# KiCad board keyboard0.kicad_pcb (continued)
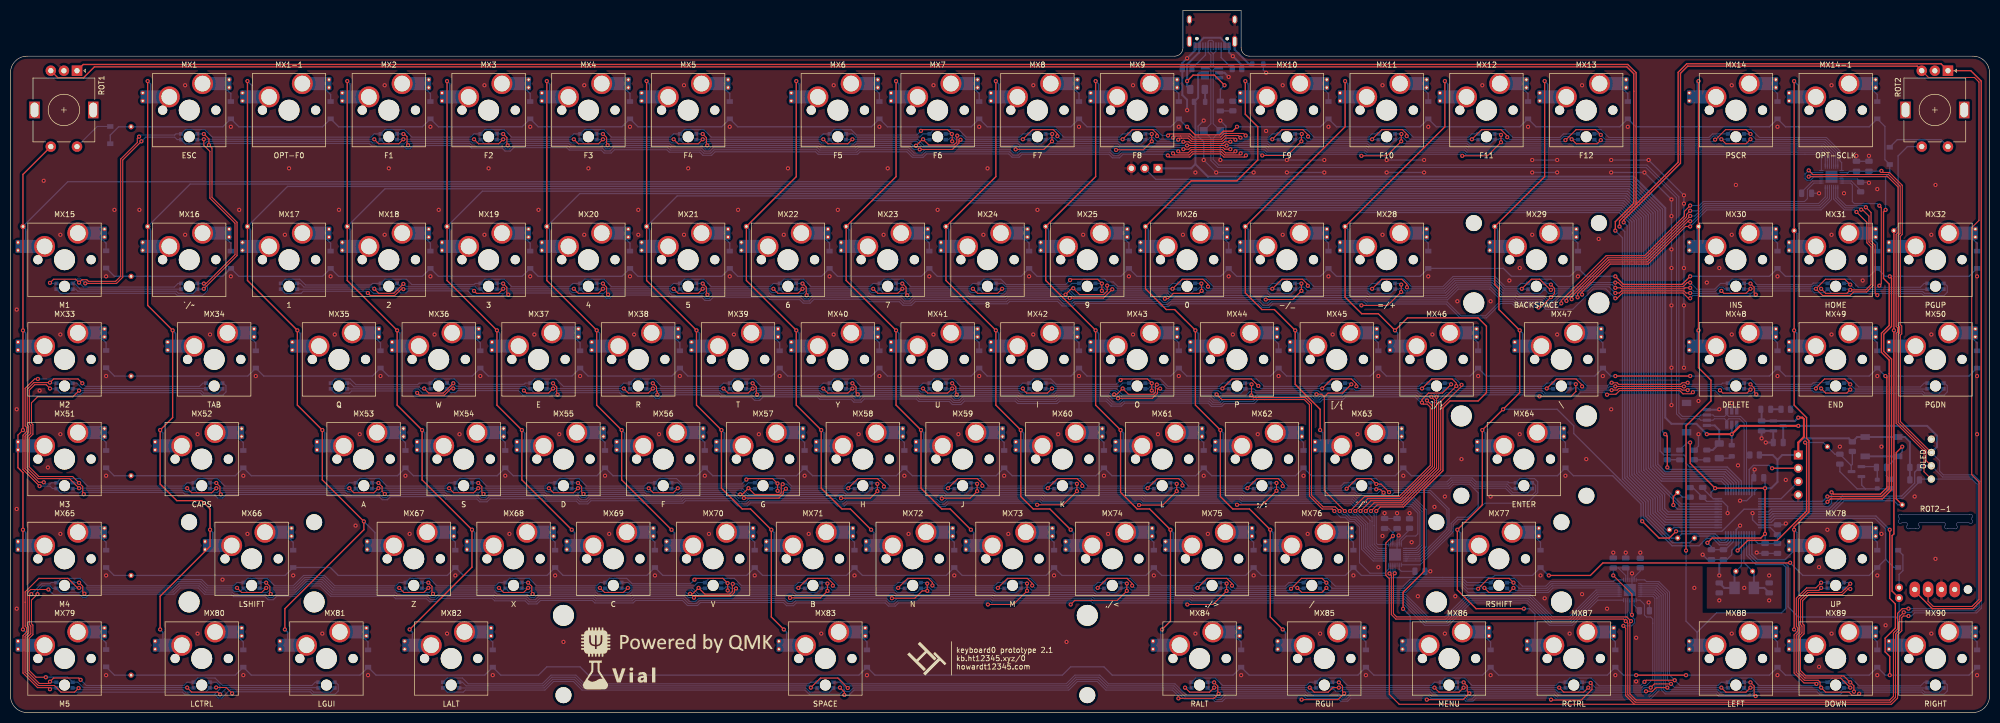
[diagram p0: board, top side]
## Routing (per net, layer and track width the routed paths; a pad name or vN(x,y) marks a point on that pad's centre or on a via; arc(x,y) is an arc through that point) (continued)
VBUS: length 28.4
  Top w0.25: v1(231.76,119.85) 229.83,121.78 225.75,121.78 v1(224.62,120.64)
  Bottom w0.25: D2.2 230.97,119.06 v1(231.76,119.85)
  Bottom w0.381: 231.83,127.23 231.83,128.06 230.97,128.92 227.79,128.92 226.93,128.06 226.93,126.13 226.92,126.12 224.62,123.82 224.62,119.64 F1.1
VCC: length 8.2
  Bottom w0.381: J2.1 325.33,54.85 326.21,53.97 F8.1 324.95,50.15 D5.2
1CA1: length 400.2
  Top w0.2: v1(7.54,82.09) 8.24,82.79 12.46,82.79 v1(13.1,82.15) 13.64,82.69 14.58,82.69 14.88,82.39 20.08,82.39 21.03,83.34 21.03,105.73 24.21,108.91 24.21,109.68 v1(24.55,110.03) ; v1(173.81,111.13) 174.04,111.36 178.89,111.36 179.77,110.47 v1(179.77,109.13) ; v1(223.91,107.63) 224.95,107.63 225.25,107.94 231.52,107.94 231.83,107.63 v1(232.86,107.63)
  Bottom w0.2: v1(232.86,107.63) 233.17,107.93 239.6,107.93 240.07,107.46 258.55,107.46 258.95,107.06 277.44,107.06 277.84,106.66 342.57,106.66 345.35,106.66 345.7,106.31 I1.21 ; v1(179.71,110.53) 179.69,110.56 LED9.1 ; LED1.4 7.64,81.99 v1(7.54,82.09) ; v1(24.55,110.03) 24.85,110.33 31.35,110.33 31.59,110.56 LED3.4 33.38,111.36 37.11,111.36 38.54,109.93 68.81,109.93 69.44,110.56 LED4.4 71.48,111.36 75.21,111.36 76.64,109.93 87.86,109.93 88.49,110.56 LED5.4 90.53,111.36 94.26,111.36 95.69,109.93 106.91,109.93 107.54,110.56 LED6.4 109.57,111.36 113.31,111.36 114.74,109.93 125.96,109.93 126.59,110.56 LED7.4 128.62,111.36 132.36,111.36 133.79,109.93 154.53,109.93 155.16,110.56 LED8.4 157.2,111.36 160.5,111.36 161.52,110.33 173.01,110.33 v1(173.81,111.13) ; v1(179.77,109.13) 180.18,108.73 192.31,108.73 192.78,108.26 211.26,108.26 211.66,107.86 216.17,107.86 216.25,107.94 223.6,107.94 v1(223.91,107.63) ; v1(13.1,82.15) 13.96,81.29 31.29,81.29 31.99,81.99 LED2.4
1CA2: length 393.5
  Top w0.2: v1(25,109.13) 21.43,105.56 21.43,83.17 20.25,81.99 v1(14.29,81.99) ; v1(198.86,110.53) 198.82,110.5 v1(198.82,109.13) 197.29,107.6 v1(191.89,107.6) ; v1(224.62,108.34) v1(232.16,108.34)
  Bottom w0.2: I1.22 346.44,104.78 346.44,106.14 345.52,107.06 278,107.06 277.6,107.46 259.12,107.46 258.72,107.86 240.24,107.86 239.76,108.34 v1(232.16,108.34) ; 11.92,81.99 12.78,82.85 13.43,82.85 v1(14.29,81.99) ; LED1.1 12.22,81.99 13.32,80.89 LED2.3 ; v1(198.86,110.53) 198.83,110.56 LED10.1 ; v1(191.89,107.6) 191.55,107.93 174.22,107.93 173.01,109.13 161.36,109.13 160.89,108.66 157.2,108.66 LED8.3 155.77,108.83 154.83,108.83 154.53,109.13 132.79,109.13 132.32,108.66 128.62,108.66 LED7.3 127.19,108.83 126.26,108.83 125.96,109.13 113.74,109.13 113.27,108.66 109.57,108.66 LED6.3 108.14,108.83 107.06,108.83 106.76,109.13 94.69,109.13 94.22,108.66 90.53,108.66 LED5.3 89.09,108.83 88.16,108.83 87.86,109.13 75.64,109.13 75.17,108.66 71.48,108.66 LED4.3 70.05,108.83 69.11,108.83 68.81,109.13 37.54,109.13 37.07,108.66 33.38,108.66 LED3.3 31.82,109.46 31.35,109.93 25.8,109.93 v1(25,109.13) ; v1(198.82,109.13) 199.23,108.73 211.36,108.73 211.83,108.26 216.01,108.26 216.09,108.34 v1(224.62,108.34)
1CA3: length 394.3
  Top w0.2: v1(113.1,109.53) 112.23,108.66 108.42,108.66 v1(107.55,109.53) ; v1(94.05,109.53) 93.18,108.66 89.37,108.66 v1(88.5,109.53) ; v1(75,109.53) 74.14,108.66 70.32,108.66 v1(69.45,109.53) ; v1(36.91,81.96) 37.34,81.96 42.86,87.47 42.86,93.49 38.07,98.28 38.07,107.21 36.91,108.37 v1(36.91,109.53) ; v1(217.87,110.53) v1(217.87,109.13) 216.26,107.52 211.08,107.52 v1(211.05,107.49) ; v1(126.6,109.53) 127.46,108.66 131.28,108.66 v1(132.15,109.53) ; v1(155.17,109.53) 156.04,108.66 159.86,108.66 v1(160.72,109.53) ; v1(223.91,109.05) 224.95,109.05 225.25,108.74 231.52,108.74 231.83,109.05 v1(232.86,109.05)
  Bottom w0.2: v1(217.87,110.53) 217.84,110.56 LED11.1 ; LED8.2 160.66,109.46 v1(160.72,109.53) 160.73,109.53 173.18,109.53 174.38,108.33 192.14,108.33 192.61,107.86 210.67,107.86 v1(211.05,107.49) ; LED4.2 74.94,109.46 v1(75,109.53) v1(88.5,109.53) ; v1(223.91,109.05) 223.6,108.74 218.26,108.74 v1(217.87,109.13) ; LED5.2 93.98,109.46 v1(94.05,109.53) v1(107.55,109.53) ; LED2.1 36.88,81.99 v1(36.91,81.96) 37.61,81.26 37.61,80.62 36.67,79.69 31.83,79.69 31.43,80.09 9.57,80.09 LED1.3 ; LED6.2 113.03,109.46 v1(113.1,109.53) v1(126.6,109.53) ; v1(232.86,109.05) 233.17,108.74 239.92,108.74 240.4,108.26 258.88,108.26 259.28,107.86 277.77,107.86 278.17,107.46 345.68,107.46 346.84,106.3 346.84,105.46 I1.23 ; LED3.2 36.84,109.46 v1(36.91,109.53) v1(69.45,109.53) ; v1(155.17,109.53) v1(132.15,109.53) 132.08,109.46 LED7.2
1CA4: length 384.5
  Top w0.2: v1(238.97,106.43) 243.74,106.43 v1(246.44,109.13) 246.44,110.47 v1(246.5,110.53) ; v1(36.91,110.53) 36.94,110.53 37.89,109.59 v1(37.89,108.43) 38.47,107.85 38.47,98.44 43.26,93.66 43.26,87.31 v1(36.91,80.96) ; v1(220.94,106.43) 221.24,106.13 225.14,106.13 225.75,106.74 231.02,106.74 231.63,106.13 235.54,106.13 v1(235.84,106.43)
  Bottom w0.2: LED1.2 12.47,80.89 12.87,80.49 31.65,80.49 32.05,80.09 34.88,80.09 LED2.2 36.84,80.89 v1(36.91,80.96) ; v1(37.89,108.43) 38.19,108.73 68.49,108.73 68.96,108.26 74.69,108.26 74.69,108.26 75,108.26 75.56,107.7 76.23,107.7 76.87,108.33 87.53,108.33 88,107.86 93.81,107.86 94.41,107.26 95.41,107.26 96.08,107.93 106.2,107.93 106.67,107.46 112.77,107.46 113.33,106.9 114.66,106.9 115.3,107.53 125.3,107.53 125.77,107.06 131.58,107.06 132.18,106.46 133.84,106.46 134.51,107.13 153.7,107.13 154.17,106.66 161.72,106.66 162.19,107.13 171.12,107.13 172.17,106.08 174.24,106.08 174.88,106.73 190.57,106.73 191.2,106.1 192.55,106.1 193.12,106.66 209.69,106.66 210.36,105.99 211.72,105.99 212.39,106.66 220.71,106.66 v1(220.94,106.43) ; v1(246.5,110.53) 246.48,110.56 LED12.1 ; v1(235.84,106.43) 236.14,106.73 238.67,106.73 v1(238.97,106.43) ; I1.24 347.24,106.47 345.85,107.86 278.33,107.86 277.93,108.26 259.45,108.26 258.98,108.73 246.84,108.73 v1(246.44,109.13) ; LED3.1 36.88,110.56 v1(36.91,110.53)
1CA5: length 288.6
  Top w0.2: v1(257.9,106.36) 262.72,106.36 v1(265.49,109.13) 265.49,110.5 v1(265.53,110.53) ; v1(221.93,106.83) 222.23,106.53 224.98,106.53 225.58,107.14 231.19,107.14 231.8,106.53 234.54,106.53 v1(234.84,106.83) ; v1(75.9,108.4) 75.7,108.59 75.7,110.02 75.2,110.53 v1(75,110.53)
  Bottom w0.2: v1(265.49,109.13) 265.9,108.73 278.03,108.73 278.5,108.26 345.73,108.26 346.01,108.26 347.64,106.63 I1.25 ; v1(75,110.53) 74.97,110.56 LED4.1 ; v1(75.9,108.4) 76.23,108.73 87.7,108.73 88.16,108.26 93.98,108.26 94.58,107.66 95.25,107.66 95.92,108.33 106.37,108.33 106.83,107.86 112.93,107.86 113.49,107.3 114.5,107.3 115.13,107.93 125.46,107.93 125.93,107.46 131.75,107.46 132.34,106.86 133.68,106.86 134.34,107.53 153.87,107.53 154.34,107.06 161.55,107.06 162.03,107.53 171.29,107.53 172.34,106.48 174.07,106.48 174.72,107.13 190.73,107.13 191.37,106.5 192.39,106.5 192.95,107.06 209.85,107.06 210.53,106.39 211.55,106.39 212.23,107.06 216.51,107.06 216.58,107.14 221.63,107.14 v1(221.93,106.83) ; v1(265.53,110.53) 265.5,110.56 LED13.1 ; v1(257.9,106.36) 257.6,106.66 239.74,106.66 239.27,107.13 235.14,107.13 v1(234.84,106.83)
1CA6: length 271.6
  Top w0.2: v1(277.14,106.36) 281.94,106.36 v1(284.54,108.96) v1(284.54,110.36) ; v1(233.85,107.23) 233.55,106.93 231.96,106.93 231.36,107.54 225.42,107.54 224.81,106.93 223.23,106.93 v1(222.93,107.23) ; v1(94.05,110.53) 94.09,110.53 94.77,109.85 94.77,108.51 v1(94.91,108.36)
  Bottom w0.2: LED14.1 284.34,110.56 v1(284.54,110.36) ; v1(277.14,106.36) 276.84,106.66 258.79,106.66 258.39,107.06 239.9,107.06 239.43,107.53 234.15,107.53 v1(233.85,107.23) ; I1.26 348.04,106.8 346.18,108.66 331.84,108.66 ; 331.04,109.46 331.84,108.66 ; 331.84,108.66 303.16,108.66 ; LED5.1 94.02,110.56 v1(94.05,110.53) ; v1(284.54,108.96) 284.84,108.66 303.16,108.66 ; v1(94.91,108.36) 95.28,108.73 106.59,108.73 107.06,108.26 113.1,108.26 113.66,107.7 114.33,107.7 114.96,108.33 125.63,108.33 126.1,107.86 131.91,107.86 132.51,107.26 133.51,107.26 134.18,107.93 154.04,107.93 154.5,107.46 161.39,107.46 161.86,107.93 171.45,107.93 172.5,106.88 173.91,106.88 174.55,107.53 190.9,107.53 191.53,106.9 192.22,106.9 192.78,107.46 210.02,107.46 210.69,106.79 211.38,106.79 212.06,107.46 216.34,107.46 216.42,107.54 222.62,107.54 222.63,107.53 v1(222.93,107.23) ; 303.16,108.66 LED15.2
1CA7: length 258.8
  Top w0.2: v1(326.61,109.53) 327.48,108.66 331.29,108.66 v1(332.16,109.53) ; v1(233.85,109.44) 233.54,109.75 231.96,109.75 231.36,109.14 225.42,109.14 224.81,109.75 223.57,109.75 223.57,109.74 223.23,109.74 v1(222.93,109.44) ; v1(173.57,107.58) 179.83,107.58 181.06,108.82 181.06,109.13 v1(181.36,109.43) ; v1(113.1,110.53) 113.14,110.53 113.8,109.87 113.8,108.59 v1(114,108.4) ; v1(303.59,110.36) 302.59,111.36 298.87,111.36 297.03,109.53 297.01,109.53 v1(296.84,109.36)
  Bottom w0.2: v1(113.1,110.53) 113.07,110.56 LED6.1 ; I1.27 348.44,106.96 346.34,109.06 332.63,109.06 v1(332.16,109.53) ; 327.77,109.53 v1(326.61,109.53) 326.38,109.53 325.75,110.16 325.08,110.16 324.38,109.46 304.49,109.46 v1(303.59,110.36) 303.39,110.56 LED15.1 ; LED9.2 179.06,109.46 179.44,109.83 180.11,109.83 180.51,109.43 v1(181.36,109.43) 181.66,109.13 192.48,109.13 192.94,108.66 196.79,108.66 LED10.2 ; v1(173.57,107.58) 172.42,107.58 171.67,108.33 161.69,108.33 161.22,107.86 154.67,107.86 154.2,108.33 134.01,108.33 133.35,107.66 132.67,107.66 132.08,108.26 126.26,108.26 125.79,108.73 114.33,108.73 v1(114,108.4) ; v1(222.93,109.44) 222.63,109.14 218.9,109.14 218.21,109.83 217.53,109.83 217.16,109.46 LED11.2 215.84,108.66 211.99,108.66 211.52,109.13 199.86,109.13 199.16,109.83 198.49,109.83 198.18,109.53 197.66,109.53 ; v1(296.84,109.36) 296.54,109.06 285.48,109.06 284.88,109.66 284.21,109.66 284.01,109.46 LED14.2 282.51,108.66 278.66,108.66 278.2,109.13 266.56,109.13 265.86,109.83 265.16,109.83 264.78,109.46 LED13.2 263.46,108.66 259.62,108.66 259.14,109.13 247.63,109.13 246.93,109.83 246.11,109.83 245.74,109.46 LED12.2 244.42,108.66 240.57,108.66 240.09,109.14 234.15,109.14 v1(233.85,109.44)
1CA8: length 249.7
  Top w0.2: v1(247.71,110.05) 247.71,110.36 246.71,111.36 242.72,111.36 v1(240.89,109.53) ; v1(218.89,110.14) 218.89,110.55 218.08,111.36 214.15,111.36 v1(212.31,109.53) ; v1(180.73,110.21) 180.66,110.14 180.66,108.99 180.11,108.43 175.31,108.43 v1(174.22,109.53) 174.1,109.53 v1(172.86,108.29) ; v1(325.42,109.46) 325.5,109.46 327.4,111.36 331.33,111.36 v1(332.16,110.53) ; v1(199.85,110.13) 199.85,110.57 199.06,111.36 196.69,111.36 196.69,111.36 195.1,111.36 v1(193.27,109.53) ; v1(221.97,109.84) 222.27,110.14 223.4,110.14 223.41,110.15 224.98,110.15 225.58,109.54 231.19,109.54 231.89,110.24 234.4,110.24 v1(234.8,109.84) ; v1(298.03,109.53) 298.9,108.66 302.89,108.66 v1(303.59,109.36) ; v1(285.73,109.93) 285.73,110.21 ; 285.73,110.17 284.54,111.36 280.82,111.36 v1(278.99,109.53) ; v1(259.94,109.53) 261.77,111.36 265.74,111.36 266.54,110.56 v1(266.54,110.14) ; v1(133.01,108.36) 132.92,108.36 132.85,108.43 132.85,109.83 v1(132.15,110.53)
  Bottom w0.2: v1(132.15,110.53) 132.12,110.56 LED7.1 ; LED9.3 174.29,109.46 v1(174.22,109.53) ; v1(133.01,108.36) 133.38,108.73 154.37,108.73 154.84,108.26 161.06,108.26 161.53,108.73 171.84,108.73 172.28,108.29 v1(172.86,108.29) ; I1.28 348.84,105.57 348.84,107.13 346.51,109.46 333.23,109.46 v1(332.16,110.53) 332.13,110.56 LED16.1 ; v1(285.73,109.93) 286.2,109.46 295.93,109.46 296.53,110.06 297.5,110.06 v1(298.03,109.53) 298.1,109.46 LED15.3 ; v1(303.59,109.36) 303.89,109.06 325.02,109.06 v1(325.42,109.46) ; LED13.3 260.01,109.46 v1(259.94,109.53) 259.31,109.53 259.31,109.53 248.22,109.53 v1(247.71,110.05) ; v1(180.73,110.21) 181.62,110.21 182.3,109.53 v1(193.27,109.53) 193.34,109.46 LED10.3 ; LED11.3 212.38,109.46 v1(212.31,109.53) 200.45,109.53 v1(199.85,110.13) ; v1(221.97,109.84) 221.67,109.54 219.49,109.54 v1(218.89,110.14) ; v1(234.8,109.84) 235.1,109.54 240.88,109.54 v1(240.89,109.53) 240.96,109.46 LED12.3 ; LED14.3 279.05,109.46 v1(278.99,109.53) 267.15,109.53 v1(266.54,110.14)
1CA9: length 205.4
  Top w0.2: v1(220.98,110.24) 221.29,110.55 225.14,110.55 225.75,109.94 231.02,109.94 231.72,110.64 235.39,110.64 v1(235.79,110.24)
  Bottom w0.2: v1(220.98,110.24) 219.83,110.24 218.7,111.36 214.34,111.36 LED11.4 212.31,110.56 211.68,109.93 201.09,109.93 199.66,111.36 195.29,111.36 LED10.4 193.26,110.56 192.63,109.93 182.47,109.93 181.03,111.36 176.25,111.36 LED9.4 174.21,110.56 173.58,109.93 161.36,109.93 160.73,110.56 LED8.1 ; I1.1 349.58,105.07 349.24,105.41 349.24,107.29 346.67,109.86 333.87,109.86 332.37,111.36 328.64,111.36 LED16.4 324.92,110.56 324.22,109.86 305.13,109.86 303.63,111.36 300.06,111.36 LED15.4 296.46,110.56 295.76,109.86 286.83,109.86 285.33,111.36 281.01,111.36 LED14.4 278.98,110.56 278.35,109.93 267.79,109.93 266.35,111.36 261.96,111.36 LED13.4 259.93,110.56 259.3,109.93 248.86,109.93 247.43,111.36 242.92,111.36 LED12.4 240.88,110.56 240.26,109.94 236.09,109.94 v1(235.79,110.24)
1CB1: length 216.4
  Top w0.2: v1(356.77,81.55) 357.14,81.92 357.14,96.46 v1(356.77,96.83) ; v1(306.37,82.15) 306.93,82.15 307.72,81.36 319.3,81.36 320.09,82.15 v1(320.65,82.15)
  Bottom w0.2: 346.82,82.06 344.15,82.06 343.85,81.75 333.41,81.75 332.37,82.79 328.64,82.79 LED19.4 326.43,81.99 325.33,80.89 321.91,80.89 v1(320.65,82.15) ; LED17.4 365.33,81.99 364.6,81.25 357.07,81.25 v1(356.77,81.55) 356.47,81.25 352.75,81.25 351.21,82.79 347.68,82.79 LED18.4 ; LED25.1 189.3,81.99 189.93,81.36 202,81.36 202.63,81.99 LED24.4 204.82,82.79 208.9,82.79 209.41,82.27 210.52,82.27 211.43,81.36 221.21,81.36 221.83,81.99 LED23.4 223.87,82.79 228.23,82.79 229.66,81.36 240.26,81.36 240.88,81.99 LED22.4 242.92,82.79 247.43,82.79 248.86,81.36 259.3,81.36 259.93,81.99 LED21.4 261.96,82.79 266.04,82.79 267.48,81.35 273.43,81.35 275.39,83.31 283.38,83.31 285.33,81.36 287.72,81.36 288.35,81.99 LED20.4 290.54,82.79 294.06,82.79 295.5,81.35 300.81,81.35 301.61,82.15 v1(306.37,82.15) ; I1.7 351.25,101.15 351.61,100.8 351.61,97.63 352,97.24 356.36,97.24 v1(356.77,96.83)
1CB2: length 251.7
  Top w0.2: v1(259.94,80.96) 261.77,82.79 265.62,82.79 266.59,81.82 v1(266.59,81.26) ; v1(294.07,80.75) 293.97,80.75 291.94,82.79 290.34,82.79 v1(288.51,80.96) ; v1(240.89,80.96) 242.72,82.79 246.65,82.79 247.66,81.78 v1(247.66,81.52) ; v1(170.25,81.96) 170.28,81.96 170.97,81.28 170.97,79.93 v1(171.19,79.71) ; v1(221.84,80.96) 223.67,82.79 227.64,82.79 228.61,81.82 v1(228.61,81.38) ; v1(354.19,96.53) 355.18,95.54 355.18,90.08 355.97,89.29 355.97,80.15 v1(356.37,79.75) ; v1(201.42,79.86) 202.62,81.06 v1(202.89,81.06) 204.08,79.86 208.68,79.86 209.36,80.54 v1(209.36,81.57) ; v1(320.65,81.15) 319.65,81.15 319.46,80.96 307.56,80.96 307.37,81.15 v1(306.37,81.15)
  Bottom w0.2: LED26.1 170.22,81.99 v1(170.25,81.96) ; v1(266.59,81.26) 266.89,80.95 273.6,80.95 275.55,82.91 283.21,82.91 285.17,80.96 v1(288.51,80.96) 288.58,80.89 LED20.3 ; v1(294.07,80.75) 294.27,80.95 300.98,80.95 301.77,81.75 305.77,81.75 v1(306.37,81.15) ; 369.22,81.99 369.73,81.48 369.73,80.3 369.12,79.69 365.23,79.69 364.87,80.05 356.67,80.05 v1(356.37,79.75) 356.07,80.05 347.72,80.05 LED18.3 346.21,80.21 344.37,80.21 344.03,80.55 332.79,80.55 332.33,80.09 328.64,80.09 LED19.3 327.31,80.89 326.94,81.26 326.27,81.26 325.5,80.49 321.31,80.49 v1(320.65,81.15) ; v1(171.19,79.71) 171.63,80.16 182.94,80.16 183.41,79.69 189.63,79.69 190.1,80.16 200.55,80.16 200.85,79.86 v1(201.42,79.86) ; v1(228.61,81.38) 229.02,80.96 240.26,80.96 240.26,80.96 v1(240.89,80.96) 240.96,80.89 LED22.3 ; v1(209.36,81.57) 210.65,81.57 211.27,80.96 221.21,80.96 221.21,80.96 v1(221.84,80.96) 221.91,80.89 LED23.3 ; I1.8 348.84,98.42 350.42,96.84 353.89,96.84 v1(354.19,96.53) ; LED24.3 203.06,80.89 v1(202.89,81.06) ; LED21.3 260.01,80.89 v1(259.94,80.96) 259.31,80.96 259.31,80.96 248.22,80.96 v1(247.66,81.52)
1CB3: length 270.9
  Top w0.2: v1(351.21,81.75) 350.18,82.79 346.49,82.79 v1(344.66,80.96) 345.93,79.69 351.19,79.69 351.85,80.35 354.35,80.35 355.57,81.58 355.57,89.13 354.78,89.92 354.78,94.85 353.54,96.09 v1(353.3,96.09) ; v1(332.16,80.96) 331.29,80.09 327.08,80.09 v1(326.61,80.56) ; v1(210.33,80.86) 208.66,79.19 v1(202.21,79.19) ; v1(320.65,80.15) 319.88,80.15 319.46,80.56 307.56,80.56 307.15,80.15 v1(306.37,80.15) ; v1(151.2,81.96) 151.24,81.96 151.92,81.28 151.92,79.79 v1(151.99,79.72)
  Bottom w0.2: LED24.2 207.48,80.89 207.86,81.26 208.64,81.26 209.04,80.86 v1(210.33,80.86) 210.63,80.56 221.05,80.56 221.52,80.09 225.37,80.09 LED23.2 226.69,80.89 227.06,81.26 227.73,81.26 228.43,80.56 240.09,80.56 240.57,80.09 244.42,80.09 LED22.2 245.74,80.89 246.11,81.26 246.93,81.26 247.63,80.56 259.14,80.56 259.62,80.09 263.46,80.09 LED21.2 264.99,80.89 265.16,81.05 265.8,81.05 266.29,80.56 266.69,80.56 266.69,80.55 273.76,80.55 275.72,82.51 283.05,82.51 285,80.56 287.72,80.56 288.19,80.09 292.04,80.09 LED20.2 293.68,80.05 294.4,80.05 294.9,80.55 301.14,80.55 301.94,81.35 305.17,81.35 305.96,80.56 305.96,80.55 v1(306.37,80.15) ; v1(151.2,81.96) 151.17,81.99 LED27.1 ; 331,80.96 v1(332.16,80.96) 332.17,80.95 344.18,80.95 344.19,80.96 v1(344.66,80.96) ; v1(151.99,79.72) 152.43,80.16 163.89,80.16 164.36,79.69 170.18,79.69 170.85,79.01 171.52,79.01 172.27,79.76 182.77,79.76 183.24,79.29 189.8,79.29 190.26,79.76 200.39,79.76 200.99,79.16 202.18,79.16 v1(202.21,79.19) ; I1.9 348.44,98.26 350.26,96.44 352.95,96.44 v1(353.3,96.09) ; 365.9,80.85 352.11,80.85 v1(351.21,81.75) 350.98,81.99 LED18.1 ; v1(320.65,80.15) 320.71,80.09 326.14,80.09 v1(326.61,80.56)
1CB4: length 284.9
  Top w0.2: v1(133.04,79.83) 132.85,80.02 132.85,81.26 v1(132.15,81.96) ; v1(333.18,79.85) 332.86,80.16 332.86,81.26 v1(332.16,81.96) ; v1(345.66,80.96) 346.53,80.09 350.55,80.09 v1(351.21,80.75) 354.18,80.75 355.17,81.74 355.17,88.96 354.38,89.75 354.38,93.66 v1(352.4,95.64) ; v1(320.65,79.15) 320.31,79.15 319.3,80.16 307.72,80.16 306.71,79.15 v1(306.37,79.15)
  Bottom w0.2: 368.93,80.89 368.13,80.09 365.4,80.09 365.04,80.45 351.51,80.45 v1(351.21,80.75) 351.08,80.89 LED18.2 ; v1(306.37,79.15) 304.57,80.95 302.15,80.95 298.25,77.05 293.07,77.05 292.03,78.09 287.24,78.09 286.77,78.56 284.35,78.56 281.59,75.8 276.91,75.8 274.26,78.45 258.99,78.45 258.55,78.89 240.65,78.89 240.34,78.58 240.33,78.58 240.33,78.57 239.96,78.2 239.28,78.2 238.59,78.89 221.25,78.89 220.72,78.36 220.05,78.36 219.45,78.96 203.02,78.96 202.55,78.49 201.09,78.49 200.22,79.36 190.43,79.36 189.96,78.89 183.08,78.89 182.61,79.36 172.43,79.36 171.69,78.61 170.68,78.61 170.01,79.29 164.19,79.29 163.73,79.76 153.06,79.76 152.33,79.02 151.65,79.02 150.99,79.69 145.31,79.69 144.84,80.16 133.38,80.16 v1(133.04,79.83) ; I1.10 348.04,98.09 350.09,96.04 352.01,96.04 v1(352.4,95.64) ; LED19.1 332.13,81.99 332.77,81.35 344.01,81.35 344.32,81.66 344.96,81.66 v1(345.66,80.96) ; v1(320.65,79.15) 321.2,79.69 333.01,79.69 v1(333.18,79.85) ; LED28.1 132.12,81.99 v1(132.15,81.96)
1CB5: length 260.2
  Top w0.2: v1(291.68,77.39) 292.1,77.39 v1(294.07,79.35) 294.77,80.05 294.77,81.05 v1(294.07,81.75) ; v1(300.02,79.85) 300.02,80.32 305.38,85.69 312.61,85.69 319.79,92.86 v1(320.65,92.86) ; v1(114.08,79.86) 113.8,80.14 113.8,81.26 v1(113.1,81.96)
  Bottom w0.2: LED29.1 113.07,81.99 v1(113.1,81.96) ; v1(114.08,79.86) 114.38,80.16 125.79,80.16 126.26,79.69 132.15,79.69 132.71,79.13 133.38,79.13 134.01,79.76 144.68,79.76 145.15,79.29 150.82,79.29 151.49,78.62 152.49,78.62 153.23,79.36 163.56,79.36 164.03,78.89 169.84,78.89 170.52,78.21 171.85,78.21 172.6,78.96 182.44,78.96 182.91,78.49 190.13,78.49 190.6,78.96 200.05,78.96 200.92,78.09 202.71,78.09 203.19,78.56 219.28,78.56 219.88,77.96 220.88,77.96 221.41,78.49 238.43,78.49 239.11,77.8 240.13,77.8 240.81,78.49 258.39,78.49 258.82,78.05 274.09,78.05 276.75,75.4 281.76,75.4 284.52,78.16 286.61,78.16 287.08,77.69 291.38,77.69 v1(291.68,77.39) ; LED20.1 293.83,81.99 v1(294.07,81.75) ; I1.11 347.64,98.02 345.66,96.04 323.83,96.04 v1(320.65,92.86) ; v1(294.07,79.35) 294.44,79.35 295.25,80.15 299.72,80.15 v1(300.02,79.85)
1CB6: length 320.2
  Top w0.2: v1(257.9,77.79) 262.91,77.79 v1(265.48,80.35) 265.49,80.37 v1(265.49,81.75) ; v1(95.03,79.86) 94.75,80.14 94.75,81.26 v1(94.05,81.96) ; v1(320.65,93.86) 320.22,93.86 312.79,86.44 312.44,86.09 305.21,86.09 299.16,80.04 v1(299.16,79.33)
  Bottom w0.2: LED30.1 94.02,81.99 v1(94.05,81.96) ; v1(265.48,80.35) 265.7,80.35 265.9,80.15 273.93,80.15 275.88,82.11 282.88,82.11 284.83,80.16 287.55,80.16 288.02,79.69 292.69,79.69 293.73,78.65 294.4,78.65 295.5,79.75 298.74,79.75 v1(299.16,79.33) ; v1(265.49,81.75) 265.26,81.99 LED21.1 ; v1(257.9,77.79) 257.6,78.09 240.98,78.09 240.3,77.4 238.94,77.4 238.26,78.09 221.58,78.09 221.05,77.56 219.71,77.56 219.11,78.16 203.35,78.16 202.88,77.69 200.76,77.69 199.89,78.56 190.76,78.56 190.29,78.09 182.75,78.09 182.28,78.56 172.76,78.56 172.02,77.81 170.35,77.81 169.68,78.49 163.86,78.49 163.39,78.96 153.39,78.96 152.66,78.22 151.32,78.22 150.65,78.89 144.98,78.89 144.51,79.36 134.18,79.36 133.55,78.73 132.54,78.73 131.98,79.29 126.1,79.29 125.63,79.76 115.02,79.76 114.42,79.16 113.71,79.16 113.18,79.69 107.21,79.69 106.74,80.16 95.33,80.16 v1(95.03,79.86) 94.86,79.69 88.18,79.69 87.31,80.56 75.89,80.56 75.48,80.16 74.51,80.16 LED31.2 72.98,80.09 69.28,80.09 68.48,80.89 LED32.2 ; v1(320.65,93.86) 321.09,93.86 323.66,96.44 345.49,96.44 347.24,98.19 I1.12
1CB7: length 327.8
  Top w0.2: v1(132.15,80.96) 131.28,80.09 127.46,80.09 v1(126.6,80.96) ; v1(246.44,81.96) 246.44,81.96 v1(246.44,80.56) 244.79,78.9 v1(239.63,78.9) ; v1(145.64,80.96) 146.51,80.09 150.33,80.09 v1(151.2,80.96) ; v1(183.74,80.96) 184.61,80.09 188.43,80.09 v1(189.3,80.96) ; v1(107.55,80.96) 108.42,80.09 112.23,80.09 v1(113.1,80.96) ; v1(320.65,94.86) 312.28,86.49 305.05,86.49 298.03,79.47 v1(298.03,78.97) ; v1(88.5,80.56) 88.97,80.09 93.18,80.09 v1(94.05,80.96) ; v1(75,80.9) 74.57,80.9 73.36,79.69 68.69,79.69 v1(68.23,80.16) ; v1(164.69,80.96) 165.56,80.09 169.38,80.09 v1(170.25,80.96)
  Bottom w0.2: LED29.2 113.03,80.89 v1(113.1,80.96) v1(126.6,80.96) ; LED26.2 170.18,80.89 v1(170.25,80.96) v1(183.74,80.96) ; v1(107.55,80.96) v1(94.05,80.96) 93.98,80.89 LED30.2 ; 73.91,81.99 v1(75,80.9) 75.07,80.96 88.1,80.96 v1(88.5,80.56) ; LED27.2 151.13,80.89 v1(151.2,80.96) v1(164.69,80.96) ; v1(246.44,81.96) 246.41,81.99 LED22.1 ; v1(68.23,80.16) 67.89,80.49 55.88,80.49 55.48,80.09 52.43,80.09 LED32.3 ; v1(298.03,78.97) 297.65,79.35 295.67,79.35 294.57,78.25 293.56,78.25 292.53,79.29 287.8,79.29 287.33,79.76 284.67,79.76 282.72,81.71 276.05,81.71 273.99,79.65 259.49,79.65 258.98,80.16 246.84,80.16 v1(246.44,80.56) ; v1(320.65,94.86) 321.52,94.86 323.5,96.84 345.32,96.84 346.84,98.35 I1.13 ; v1(145.64,80.96) v1(132.15,80.96) 132.08,80.89 LED28.2 ; LED25.2 189.23,80.89 v1(189.3,80.96) 202,80.96 203.19,79.76 220.71,79.76 221.19,79.29 239.25,79.29 v1(239.63,78.9)
1CB8: length 317.9
  Top w0.2: v1(75,81.9) 73.19,80.09 70.32,80.09 v1(69.45,80.96) ; v1(220.38,79.06) 220.98,79.06 222.01,80.09 226.92,80.09 v1(227.4,80.56) 227.4,81.9 v1(227.34,81.96) ; v1(320.65,95.86) 319.95,95.16 319.95,94.73 312.11,86.89 304.88,86.89 297.03,79.04 v1(297.03,78.65)
  Bottom w0.2: v1(320.65,95.86) 321.96,95.86 323.33,97.24 345.16,97.24 346.44,98.52 I1.14 ; v1(227.34,81.96) 227.31,81.99 LED23.1 ; v1(75,81.9) 75.07,81.9 75.6,81.36 88.73,81.36 89.2,80.89 LED30.3 90.53,80.09 94.22,80.09 94.69,80.56 106.91,80.56 107.21,80.26 108.14,80.26 LED29.3 109.57,80.09 113.27,80.09 113.74,80.56 125.96,80.56 126.26,80.26 127.19,80.26 LED28.3 128.62,80.09 132.32,80.09 132.79,80.56 145.01,80.56 145.31,80.26 146.24,80.26 LED27.3 147.67,80.09 151.37,80.09 151.84,80.56 164.06,80.56 164.36,80.26 165.29,80.26 LED26.3 166.72,80.09 170.57,80.09 171.04,80.56 183.11,80.56 183.41,80.26 184.34,80.26 LED25.3 185.77,80.09 189.46,80.09 189.93,80.56 201.83,80.56 203.03,79.36 220.08,79.36 v1(220.38,79.06) ; v1(227.4,80.56) 227.8,80.16 239.93,80.16 240.4,79.69 258.88,79.69 259.32,79.25 274.15,79.25 276.21,81.31 282.55,81.31 284.5,79.36 287.16,79.36 287.63,78.89 292.36,78.89 293.4,77.85 294.73,77.85 295.84,78.95 296.73,78.95 v1(297.03,78.65) ; LED31.3 69.52,80.89 v1(69.45,80.96) 69.12,81.29 56.02,81.29 55.32,81.99 LED32.1
1CB9: length 320.6
  Top w0.2: v1(202.28,82.61) 202.45,82.79 207.52,82.79 v1(208.35,81.96) v1(208.35,80.56) ; v1(296.05,78.18) 296.04,78.19 296.04,78.69 304.63,87.29 311.95,87.29 319.55,94.89 319.55,95.76 v1(320.65,96.86)
  Bottom w0.2: I1.15 344.27,101.15 343.03,99.92 343.03,98.17 342.49,97.64 323.17,97.64 322.39,96.86 v1(320.65,96.86) ; v1(208.35,80.56) 208.75,80.16 220.88,80.16 221.35,79.69 239.84,79.69 240.24,79.29 258.72,79.29 259.16,78.85 274.32,78.85 276.38,80.91 282.38,80.91 284.34,78.96 286.94,78.96 287.41,78.49 292.2,78.49 293.23,77.45 295.32,77.45 v1(296.05,78.18) ; LED32.4 52.43,82.79 55.22,82.79 56.32,81.69 68.81,81.69 69.11,81.99 LED31.4 71.48,82.79 75.6,82.79 76.63,81.76 88.5,81.76 88.73,81.99 LED30.4 90.53,82.79 94.26,82.79 95.69,81.36 106.75,81.36 107.38,81.99 LED29.4 109.57,82.79 113.31,82.79 114.74,81.36 125.96,81.36 126.59,81.99 LED28.4 128.62,82.79 132.36,82.79 133.79,81.36 145.01,81.36 145.64,81.99 LED27.4 147.67,82.79 151.4,82.79 152.84,81.36 164.06,81.36 164.69,81.99 LED26.4 166.72,82.79 170.45,82.79 171.88,81.36 183.11,81.36 183.74,81.99 LED25.4 185.77,82.79 189.07,82.79 190.1,81.76 201.42,81.76 v1(202.28,82.61) ; LED24.1 208.32,81.99 v1(208.35,81.96)
2CA1: length 243.7
  Top w0.2: v1(211.91,63.51) 212.13,63.74 217.04,63.74 v1(217.87,62.91) v1(217.87,61.51) ; v1(252.73,38.49) 252.33,38.89 250.41,38.89 247.96,41.34 247.96,58.83 246.99,59.8 239.43,59.8 231.24,59.8 v1(230.25,60.79)
  Bottom w0.2: LED33.4 61.95,63.74 64.84,63.74 65.94,62.64 77.72,62.64 78.02,62.94 LED34.4 81,63.74 84.73,63.74 85.77,62.71 98.02,62.71 98.25,62.94 LED35.4 100.05,63.74 104.13,63.74 105.56,62.31 116.43,62.31 117.07,62.94 LED36.4 119.1,63.74 122.83,63.74 124.26,62.31 135.48,62.31 136.11,62.94 LED37.4 138.15,63.74 141.88,63.74 143.31,62.31 154.53,62.31 155.16,62.94 LED38.4 157.2,63.74 160.93,63.74 162.36,62.31 173.58,62.31 174.21,62.94 LED39.4 176.25,63.74 179.98,63.74 181.41,62.31 192.63,62.31 193.26,62.94 LED40.4 195.29,63.74 198.59,63.74 199.62,62.71 211.1,62.71 v1(211.91,63.51) ; I2.21 263.1,27.4 262.32,26.62 259.51,26.62 257.53,28.6 257.53,35.44 256.47,36.5 255.59,36.5 254.79,37.3 253.92,37.3 v1(252.73,38.49) ; v1(230.25,60.79) 229.98,61.06 229.98,61.11 218.27,61.11 v1(217.87,61.51) ; v1(217.87,62.91) 217.84,62.94 LED41.1